# Altium PCB 机械臂扩展板2.0.PcbDoc
Units mil, origin at the board's own origin, x right, y up, seen from the top; angles counter-clockwise.
Board outline 2569.5 x 2215.05 mil, 2 copper layers (Top Layer, Bottom Layer); 64 components, 62 nets, 262 pads, 61 vias.
Unrouted connection lines stored in the file: 44.
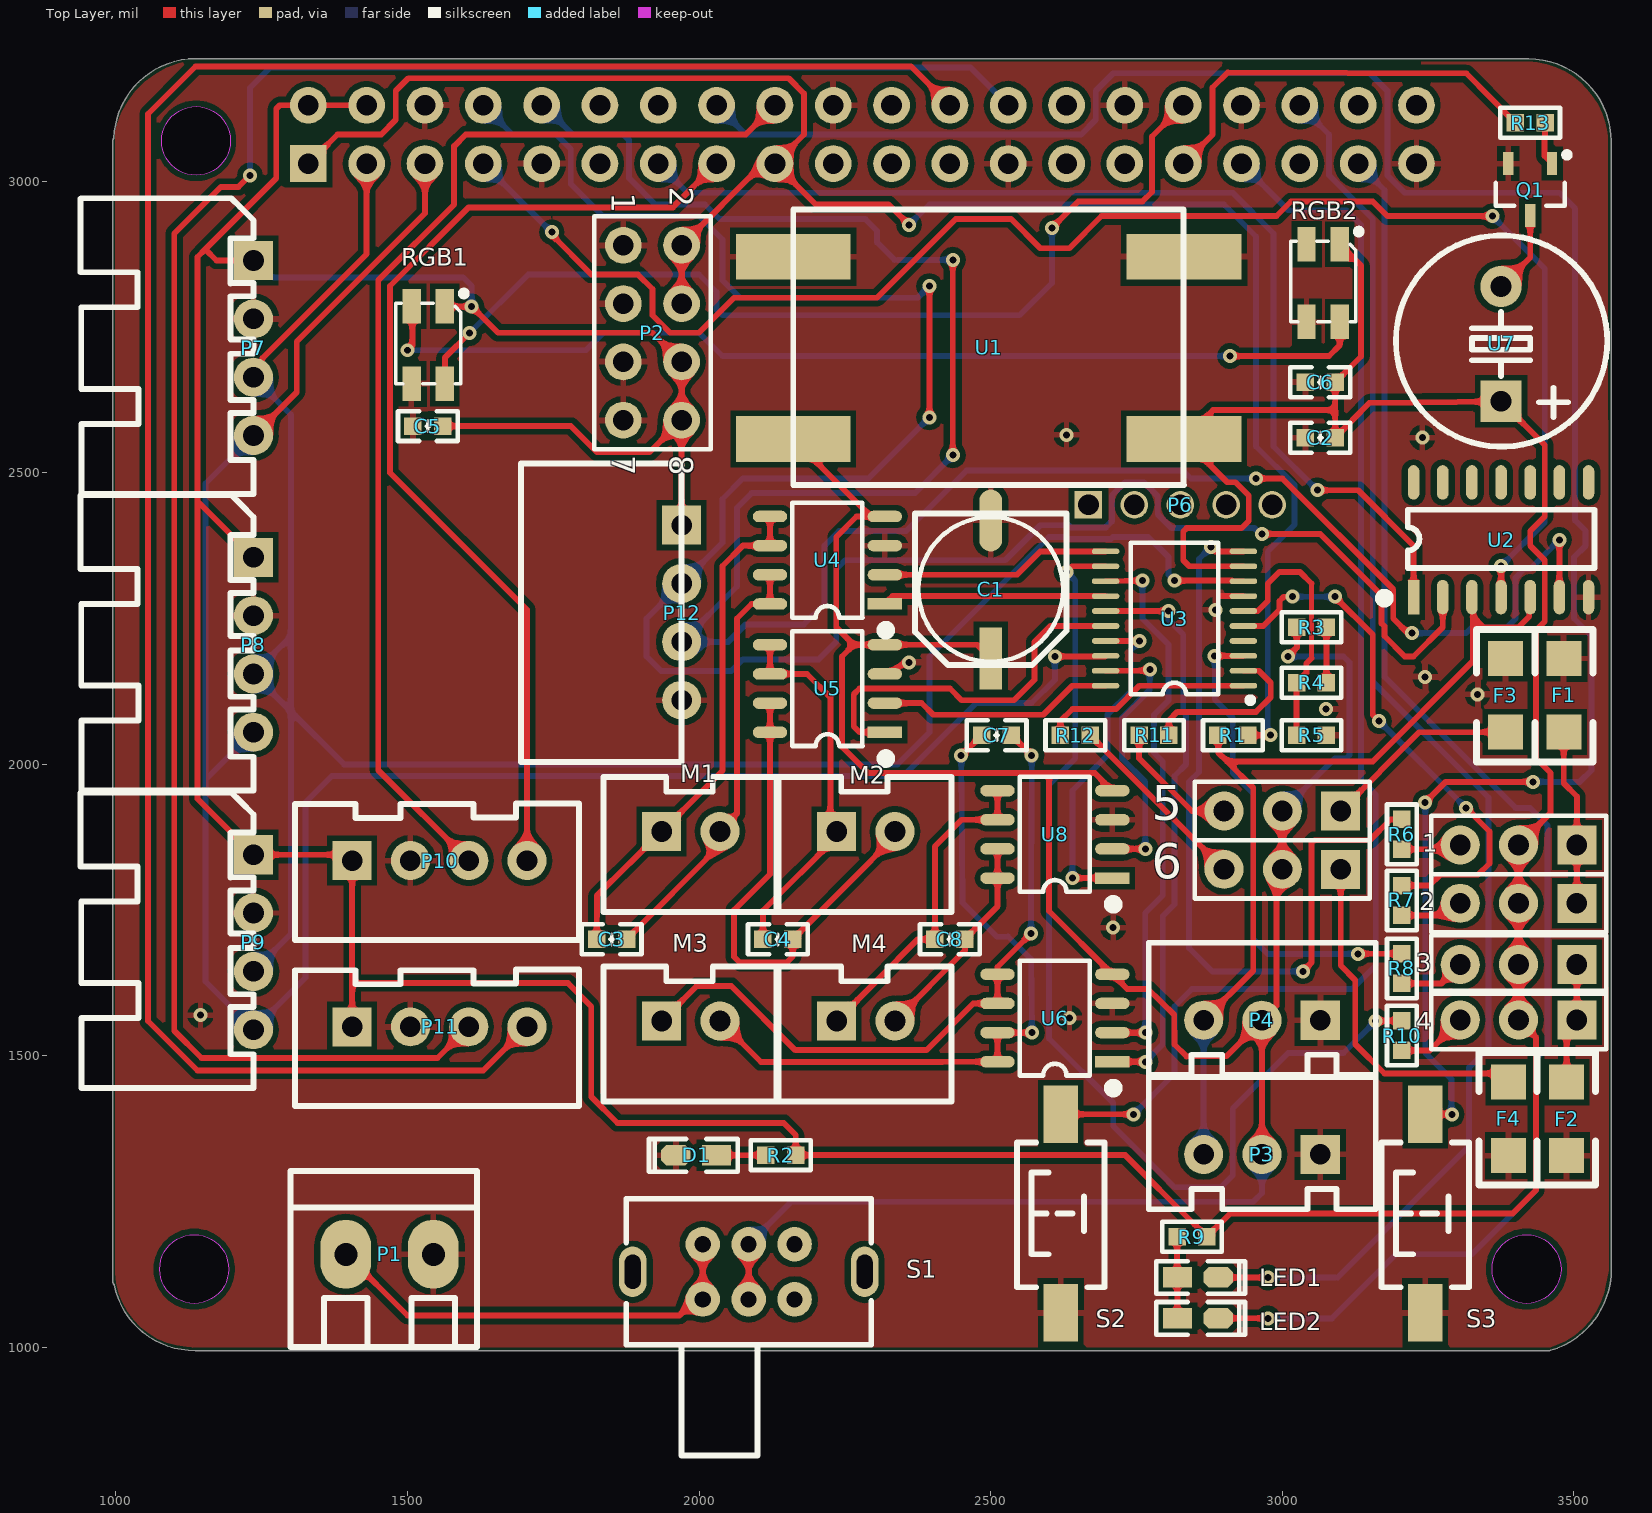
[diagram p0: Top Layer view]
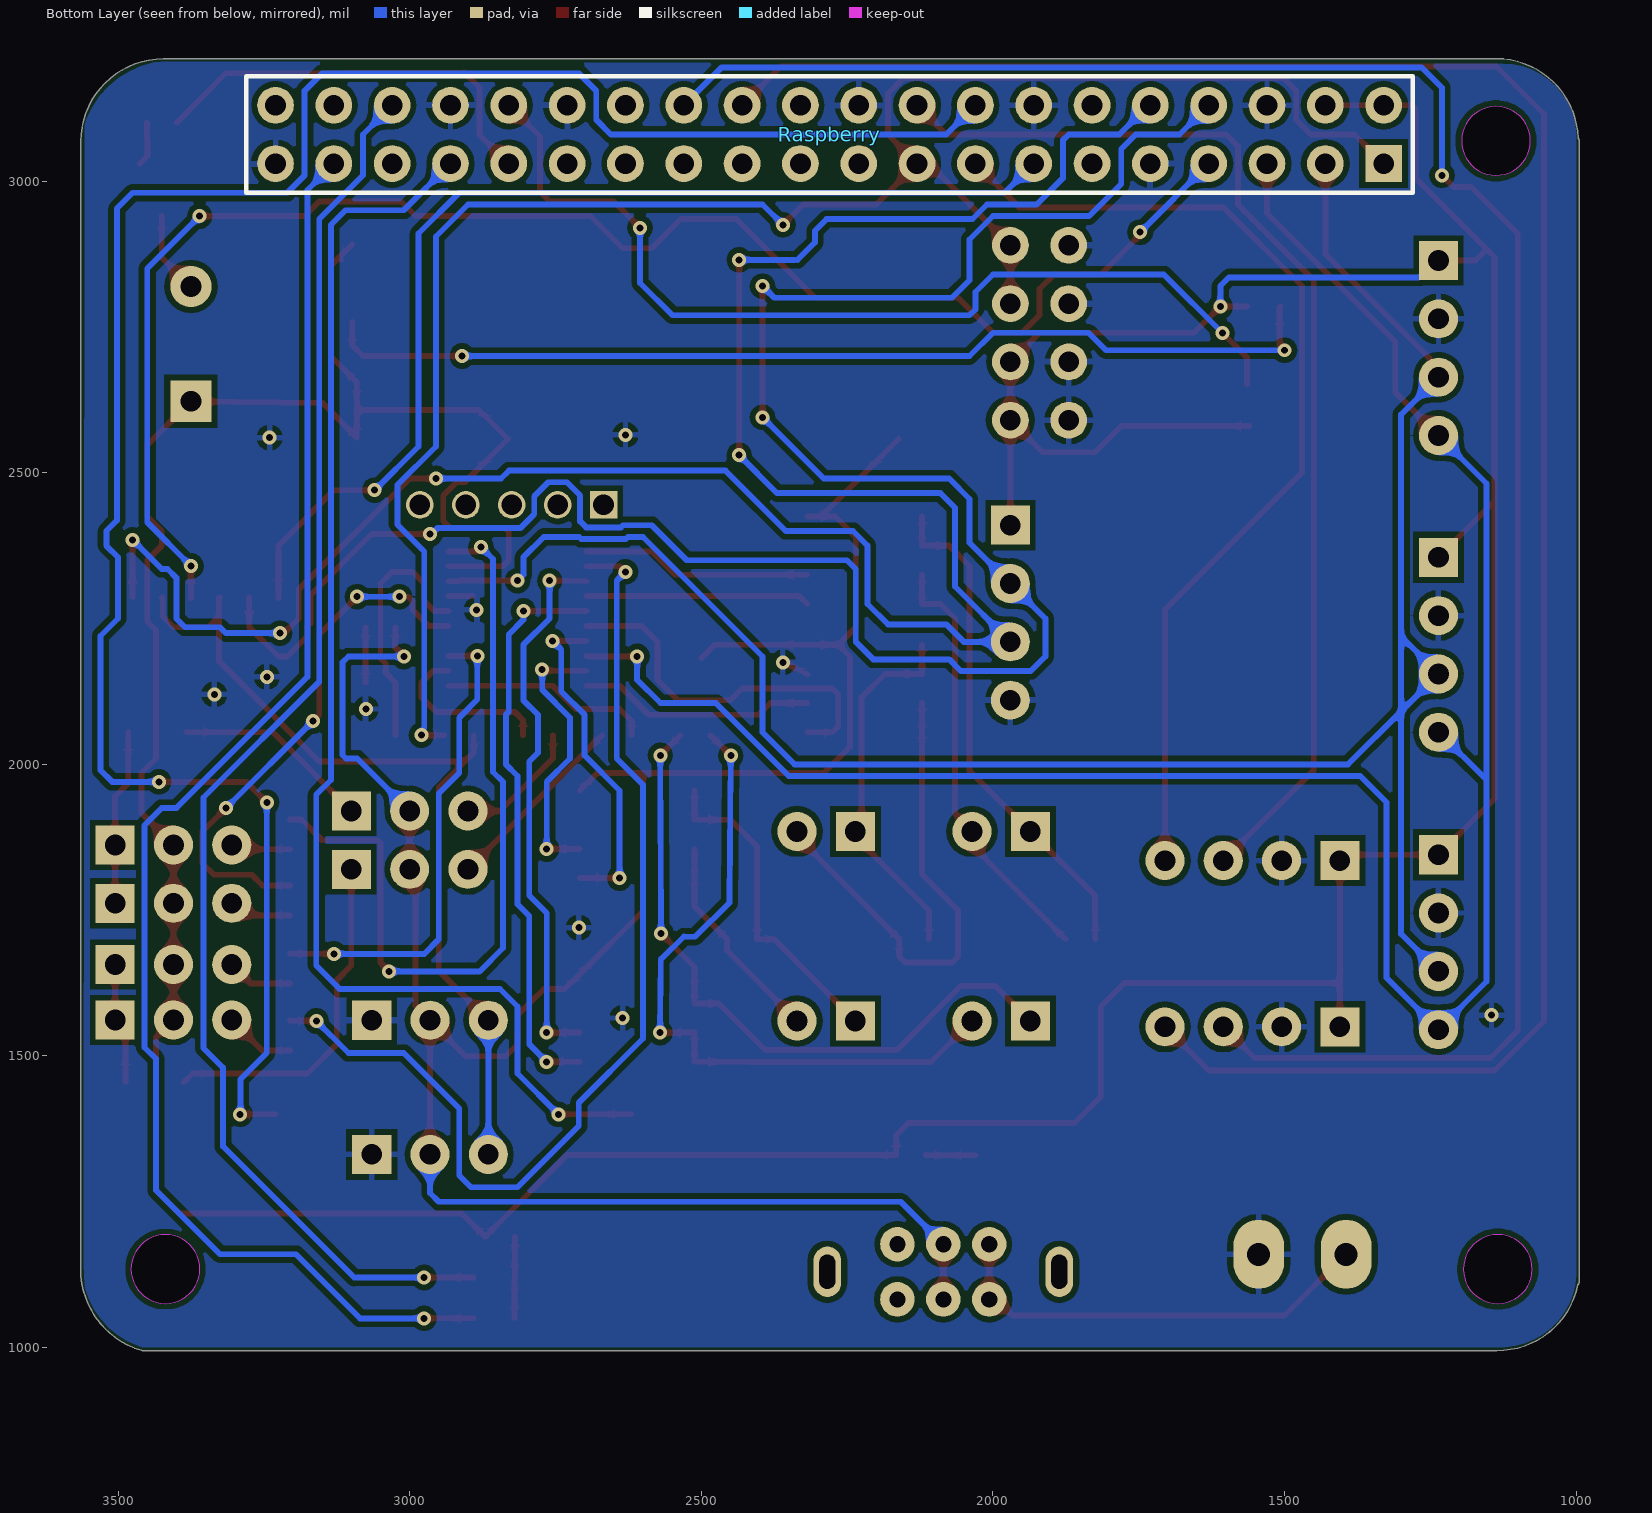
[diagram p1: Bottom Layer view, seen from below]

## Layer stack, top to bottom
Top Solder: solder mask 0.4, Solder Resist, Dk 3.5
Top Layer: signal copper 1.4
Dielectric 1: dielectric 12.6, FR-4, Dk 4.8
Bottom Layer: signal copper 1.4
Bottom Solder: solder mask 0.4, Solder Resist, Dk 3.5

## Board outline
994.98,1112 994.98,1124.68 cw(c1134.33,1134.65) 994.63,1133.98 cw(c999.65,1134) 994.98,1135.86 994.98,3070 cw(c1000,3070) 996.59,3073.67 cw(c1137.48,3069.05) 1135.95,3210.01 cw(c1136,3204.99) 1137.62,3209.74 3421,3209.74 cw(c3421,3204.72) 3422.18,3209.6 cw(c3421.68,3067.26) 3564.02,3067.97 cw(c3559.05,3067.26) 3564.07,3067.26 3564.07,1135.76 cw(c3559.11,1135) 3564.13,1135.01 cw(c3418.74,1134.65) 3564.13,1134.65 cw(c3418.74,1134.65) 3459.88,995.2 cw(c3418.74,1134.65) 3459.85,995.19 3459.88,995.2 cw(c3458.43,1000) 3458.43,994.98 1136.55,994.98 cw(c1136,999.97) 1136.06,994.95 cw(c1134.33,1134.65) 997.23,1107.82 cw(c1000,1112)
cut-out: 1137.48,3010 cw(c1137.48,3069.05) 1078.42,3069.05 cw(c1137.48,3069.05) 1137.48,3128.11 cw(c1137.48,3069.05) 1196.53,3069.05 cw(c1137.48,3069.05)
cut-out: 3418.74,1075.59 cw(c3418.74,1134.65) 3359.68,1134.65 cw(c3418.74,1134.65) 3418.74,1193.7 cw(c3418.74,1134.65) 3477.8,1134.65 cw(c3418.74,1134.65)
cut-out: 1134.33,1075.59 cw(c1134.33,1134.65) 1075.28,1134.65 cw(c1134.33,1134.65) 1134.33,1193.7 cw(c1134.33,1134.65) 1193.39,1134.65 cw(c1134.33,1134.65)

## Design rules (kind name [scope] priority, off if disabled: settings)
Clearance [All] p1: gap=10 ignorepadtopadclearanceinfootprint=FALSE except(0: Arc-Hole Track-Hole SMDPad-Hole THPad-Hole Via-Hole Fill-Hole Poly-Hole Region-Hole Text-Hole)
ComponentClearance [All] p1: gap=10 collisioncheckmode=3 verticalgap=0 showdistances=FALSE
MinimumSolderMaskSliver [All] p1: minsoldermaskwidth=0
PolygonConnect [All] p1: connectstyle=Relief reliefconductorwidth=10 reliefentries=4 polygonreliefangle="90 Angle" airgapwidth=10
RoutingVias [All] p1: holewidth=28 width=50 viastyle="Through Hole" minholewidth=28 minwidth=50 maxholewidth=28 maxwidth=50
SilkToSilkClearance [All] p1: silktosilkclearance=0
SilkToSolderMaskClearance [IsPad] p1: minsilkscreentomaskgap=0 clearancetoexposedcopper=TRUE
SolderMaskExpansion [All] p1: expansion=4 istentingtop=FALSE
Width [All] p1: maxlimit=10 minlimit=10 preferedwidth=10
26 further rules are at their usual default settings.

## Components (designator, comment, footprint, x,y, rotation, side; value= is the part's Value field where it differs from the comment)
1 "Header 3" HDR2.54-LI-3P 3405,1861.81 r180 top
2 "Header 3" HDR2.54-LI-3P 3405,1761.81 r180 top
3 "Header 3" HDR2.54-LI-3P 3405,1656.81 r180 top
4 "Header 3" HDR2.54-LI-3P 3405,1561.81 r180 top
5 "Header 3" HDR2.54-LI-3P 3000,1920 r180 top
6 "Header 3" HDR2.54-LI-3P 3000,1820 r180 top
C1 "220uF/16V" "CM D(6.3*7.7)" 2500,2300 r270 top
C2 "104" "C 0603_L" 3065,2560 r0 top
C3 "104" "C 0603_L" 1850,1700 r0 top
C4 "104" "C 0603_L" 2135,1700 r0 top
C5 "104" "C 0603_L" 1535,2580 r180 top
C6 "104" "C 0603_L" 3065,2655 r180 top
C7 "104" "C 0603_L" 2510,2050 r180 top
C8 "104" "C 0603_L" 2430,1700 r0 top
D1 "红色" "LED 0603R" 1995,1330 r180 top
F1 "Fuse 200mA" F1206 3480,2110.55 r270 top
F2 "Fuse 200mA" F1206 3490,1400 r90 top
F3 "Fuse 200mA" F1206 3380,2110.55 r270 top
F4 "Fuse 200mA" F1206 3390,1400 r90 top
LED1 "红色" "LED 0603G" 2855,1120 r0 top
LED2 "红色" "LED 0603G" 2855,1050 r0 top
M1 "Motor" XH2.54-LI-2P 1985.75,1885 r0 top
M2 "Motor" XH2.54-LI-2P 2285.75,1885 r0 top
M3 "Motor" XH2.54-LI-2P 1985.75,1560 r0 top
M4 "Motor" XH2.54-LI-2P 2285.75,1560 r0 top
P1 "Power" KF128-3.81-2P 1469.21,1160 r0 top
P2 "Header 4X2" HDR2.54-LI-2x4P 1920,2740 r270 top
P3 "Header 3" XH2.54-LI-3P 2965,1331.22 r180 top
P4 "Header 3" XH2.54-LI-3P 2965,1561.22 r180 top
P6 "Header 5" HDR2.54-LI-5P 2825,2445 r0 top
P7 "Header 4" XH2.54-WI-4P 1235.94,2713.78 r270 top
P8 "Header 4" XH2.54-WI-4P 1235.94,2205 r270 top
P9 "Header 4" XH2.54-WI-4P 1235.94,1695 r270 top
P10 "Header 4" XH2.54-LI-4P 1555,1835 r0 top
P11 "Header 4" XH2.54-LI-4P 1555,1550 r0 top
P12 "Header 4" HDR2.54-LI-4P 1970,2260 r90 top
Q1 "8050" SOT23-3L 3425,2985 r180 top
R1 "1K" "R 0603_L" 2915,2050 r0 top
R2 "10K" "R 0603_L" 2140,1330 r0 top
R3 "10K" "R 0603_L" 3050,2235 r0 top
R4 "10K" "R 0603_L" 3050,2140 r180 top
R5 "10K" "R 0603_L" 3050,2050 r0 top
R6 "1K" "R 0603_L" 3205,1880 r90 top
R7 "1K" "R 0603_L" 3205,1766.67 r90 top
R8 "1K" "R 0603_L" 3205,1650 r90 top
R9 "1K" "R 0603_L" 2845,1190 r180 top
R10 "1K" "R 0603_L" 3205,1535 r90 top
R11 "1K" "R 0603_L" 2780,2050 r0 top
R12 "1K" "R 0603_L" 2645,2050 r180 top
R13 "1K" "R 0603_L" 3425,3100 r0 top
Raspberry "P5" HDR2.54-LI-2x20P 2280,3080 r0 bottom
RGB1 "" "LED 3528-4Pin" 1535.55,2718.82 r270 top
RGB2 "" "LED 3528-4Pin" 3070,2825 r270 top
S1 "SW DPDT" SK-22D02 2085,1130 r0 top
S2 "SW-PB" "TSW SMD-3*6*4.3" 2620,1230 r90 top
S3 "SW-PB" "TSW SMD-3*6*4.3" 3245,1230 r90 top
U1 "DC-DC5V" 升压模块 2406.42,2674.09 r0 top
U2 "74HC126D" SOP14_L 3375,2385 r90 top
U3 "51" TSSOP20_L 2815,2250 r180 top
U4 "4055" SOP8_L 2220,2350 r180 top
U5 "4055" SOP8_L 2220,2130 r180 top
U6 "4055" SOP8_L 2610,1565 r180 top
U7 "BUZZER" "BEEP 5x9x5.5" 3375,2720.79 r0 top
U8 "4055" SOP8_L 2610,1880 r180 top

## Footprints (in the part's own frame and the unit in brackets; to place one, negate y for a bottom-side part, rotate by r counter-clockwise, add the part's x,y. Pads: shape width x height; smd on the part's side, far side on the other; paste and mask are expansions set on the pad)
"BEEP 5x9x5.5" [mm] "5*9*5.5mm(脚距,直径,高度)"
  rect 1.8x1.8 hole 0.9: 1(0,-2.5)
  round 1.8 hole 0.9: 2(0,2.5)
  silkscreen extent -4.58,-4.47 4.62,4.72, body extent -4.5,-4.5 4.5,4.5, height 5.45
"C 0603_L" [mil] "无极性贴片电容"
  rect 30x30 smd: 1(-25.59,0) 2(25.59,0)
  silkscreen extent -51,-26 51,26, body extent -31,-16 31,16, height 32
"CM D(6.3*7.7)" [mm] "贴片电解电容，直径6.3mm，高7.7mm"
  rect 2.7x1 smd: 1(3,0)
  oval 2.7x1 smd: 2(-3,0)
  silkscreen extent -3.3,-3.3 3.3,3.3, body extent -3.5,-3.3 3.5,3.3, height 7.7
F1206 [mil] "1/4W"
  rect 60x60 smd: 1(-70.98,2.53) 2(55,2.53)
  silkscreen extent -121,-47 106,53, body extent -71,-27 55,32, height 63
HDR2.54-LI-2x4P [mm] "双排排针，4x2脚"
  round 1.6 hole 0.9: 1(-3.81,-1.27) 2(-3.81,1.27) 3(-1.27,-1.27) 4(-1.27,1.27) 5(1.27,-1.27) 6(1.27,1.27) 7(3.81,-1.27) 8(3.81,1.27)
  silkscreen extent -5.08,-2.54 5.08,2.54, body extent -5.08,-2.54 5.08,2.54, height 8.5
HDR2.54-LI-2x20P [mm] "双排排针，20x2脚"
  rect 1.6x1.6 hole 0.9: 1(-24.13,1.27)
  round 1.6 hole 0.9: 2(-24.13,-1.27) 3(-21.59,1.27) 4(-21.59,-1.27) 5(-19.05,1.27) 6(-19.05,-1.27) 7(-16.51,1.27) 8(-16.51,-1.27) 9(-13.97,1.27) 10(-13.97,-1.27) 11(-11.43,1.27) 12(-11.43,-1.27) 13(-8.89,1.27) 14(-8.89,-1.27) 15(-6.35,1.27) 16(-6.35,-1.27) 17(-3.81,1.27) 18(-3.81,-1.27) 19(-1.27,1.27) 20(-1.27,-1.27) 21(1.27,1.27) 22(1.27,-1.27) 23(3.81,1.27) 24(3.81,-1.27) 25(6.35,1.27) 26(6.35,-1.27) 27(8.89,1.27) 28(8.89,-1.27) 29(11.43,1.27) 30(11.43,-1.27) 31(13.97,1.27) 32(13.97,-1.27) 33(16.51,1.27) 34(16.51,-1.27) 35(19.05,1.27) 36(19.05,-1.27) 37(21.59,1.27) 38(21.59,-1.27) 39(24.13,1.27) 40(24.13,-1.27)
  silkscreen extent -25.4,-2.54 25.4,2.54, body extent -25.4,-2.54 25.4,2.54, height 8.5
HDR2.54-LI-3P [mm] "排针，3脚"
  rect 1.7x1.7 hole 0.9: 1(-2.54,0)
  round 1.7 hole 0.9: 2(0,0) 3(2.54,0)
  silkscreen extent -3.81,-1.27 3.81,1.27, body extent -3.81,-1.27 3.81,1.27, height 8.5
HDR2.54-LI-4P [mm] "排针，4脚"
  round 1.7 hole 0.9: 1(-3.81,0) 2(-1.27,0) 3(1.27,0)
  rect 1.7x1.7 hole 0.9: 4(3.81,0)
  silkscreen extent -6.5,0 6.5,7, body extent -5.08,-1.27 5.08,1.27, height 8.5
HDR2.54-LI-5P [mm] "排针，5脚"
  rect 1.2x1.2 hole 0.9: 1(-4,0)
  round 1.2 hole 0.9: 2(-2,0) 3(0,0) 4(2,0) 5(4,0)
KF128-3.81-2P [mm] "螺钉式接线端子，脚距3.81mm"
  oval 2.2x3 hole 1: 1(-1.905,0) 2(1.905,0)
  silkscreen extent -4.32,-4.04 3.81,3.63, body extent -4.31,-3.9 3.81,3.5, height 8.55
"LED 0603G" [mil] "绿色0603LED"
  rect 50x35 smd: 1(-35,0.26)
  oct 50x35 smd: 2(35,0.26)
  silkscreen extent -71,-28 81,28, body extent -31,-16 32,16, height 18
"LED 0603R" [mil] "红色0603LED"
  rect 50x35 smd: 1(-35,0.26)
  oct 50x35 smd: 2(35,0.26)
  silkscreen extent -71,-28 81,28, body extent -31,-16 31,16, height 18
"LED 3528-4Pin" [mm] "4脚，3528LED"
  rect 1.5x0.8 smd: 1(-1.689,0.725) 2(-1.689,-0.725) 3(1.689,-0.725) 4(1.689,0.725)
  silkscreen extent -2.37,-1.42 1.69,1.68, body extent -1.75,-1.4 1.75,1.4, height 1.95
"R 0603_L" [mil] "1/10W贴片电阻"
  rect 30x30 smd: 1(-25.59,0) 2(25.59,0)
  silkscreen extent -51,-26 51,26, body extent -31,-16 32,16, height 16
SK-22D02 [mm] "10.4x6.1x4.2mm(长宽高)，脚距：2mm"
  oval 1.2x2.2 hole 0.7 slot 1.5 at 90 deg: 0(-5.05,0) 0(5.05,0)
  round 1.5 hole 0.7: 1(-2,-1.2) 2(0,-1.2) 3(2,-1.2) 4(2,1.2) 5(0,1.2) 6(-2,1.2)
  silkscreen extent -5.33,-8 5.33,3.17, body extent -5.27,-7.96 5.25,3.05, height 5.59
SOP8_L [mm] "5*6*1.8mm（长宽高）"
  rect 1.5x0.5 smd: 1(-2.5,1.905)
  oval 1.5x0.5 smd: 2(-2.5,0.635) 3(-2.5,-0.635) 4(-2.5,-1.905) 5(2.5,-1.905) 6(2.5,-0.635) 7(2.5,0.635) 8(2.5,1.905)
  silkscreen extent -2.69,-2.5 1.52,3.2, body extent -3,-2.5 3,2.5, height 1.9
SOP14_L [mm] "8.7*6.2*1.8mm（长宽高）"
  rect 1.5x0.5 smd: 1(-2.5,3.81)
  oval 1.5x0.5 smd: 2(-2.5,2.54) 3(-2.5,1.27) 4(-2.5,0) 5(-2.5,-1.27) 6(-2.5,-2.54) 7(-2.5,-3.81) 8(2.5,-3.81) 9(2.5,-2.54) 10(2.5,-1.27) 11(2.5,0) 12(2.5,1.27) 13(2.5,2.54) 14(2.5,3.81)
  silkscreen extent -2.69,-4.06 1.31,5.23, body extent -3,-4.35 3,4.35, height 1.9
SOT23-3L [mm] "3x1.3x1mm(长宽高)"
  rect 0.45x1 smd: 1(-0.95,-1.143) 2(0.95,-1.143) 3(0,1.125)
  silkscreen extent -1.73,-1.65 1.5,0.7, body extent -1.5,-1.2 1.5,1.2, height 1.05
TSSOP20_L [mm] "6.5*6.4*1（长宽高）"
  oval 1.2x0.25 smd: 1(-3,2.925) 2(-3,2.275) 3(-3,1.625) 4(-3,0.975) 5(-3,0.325) 6(-3,-0.325) 7(-3,-0.975) 8(-3,-1.625) 9(-3,-2.275) 10(-3,-2.925) 11(3,-2.925) 12(3,-2.275) 13(3,-1.625) 14(3,-0.975) 15(3,-0.325) 16(3,0.325) 17(3,0.975) 18(3,1.625) 19(3,2.275) 20(3,2.925)
  silkscreen extent -3.43,-3.3 1.91,3.69, body extent -3.2,-3.25 3.2,3.25, height 1.03
"TSW SMD-3*6*4.3" [mm] "3*6*4.3mm"
  rect 2.5x1.5 smd: 1(-4.318,0) 2(4.318,0)
  silkscreen extent -3.21,-1.9 3.09,1.9, body extent -4.6,-1.75 4.6,1.75, height 4.4
XH2.54-LI-2P [mm] "接插件，2P"
  rect 1.7x1.7 hole 0.9: 1(-1.27,0)
  round 1.7 hole 0.9: 2(1.27,0)
  silkscreen extent -3.81,-3.51 3.74,2.37, body extent -3.77,-3.3 3.77,2.4, height 7.05
XH2.54-LI-3P [mm] "接插件，3P"
  rect 1.7x1.7 hole 0.9: 1(-2.54,0)
  round 1.7 hole 0.9: 2(0,0) 3(2.54,0)
  silkscreen extent -4.95,-3.38 4.93,2.39, body extent -5.04,-3.3 5.04,2.4, height 7.03
XH2.54-LI-4P [mm] "接插件，4P"
  rect 1.7x1.7 hole 0.9: 1(-3.81,0)
  round 1.7 hole 0.9: 2(-1.27,0) 3(1.27,0) 4(3.81,0)
  silkscreen extent -6.3,-3.45 6.07,2.49, body extent -6.31,-3.3 6.31,2.4, height 7.03
XH2.54-WI-4P [mm] "接插件，4P"
  rect 1.7x1.7 hole 0.9: 1(-3.81,0)
  round 1.7 hole 0.9: 2(-1.27,0) 3(1.27,0) 4(3.81,0)
  silkscreen extent -6.53,-7.53 6.35,0, body extent -6.31,-7.35 6.31,0.35, height 5.73
升压模块 [mm]
  rect 5x2 smd: 1(-6.223,-2.953) 2(-6.223,4.985) 3(10.795,4.985) 4(10.795,-2.953)
  silkscreen extent -6.22,-4.95 10.79,7.05

## Part data
1 2 3 4 5 6 P3 P4: "舵机接口", BOM名称=3P接插件, 学习资源=www.ooocke.com, 版权归属=源创客
C1: library part C-CM, "贴片电解电容", BOM名称=贴片电解电容, 学习资源=www.ooocke.com, 版权归属=源创客
C2 C3 C4 C5 C6 C7 C8: library part C, "无极性贴片电容", BOM名称=无极性贴片电容, 学习资源=www.ooocke.com, 版权归属=源创客
D1 LED1 LED2: library part LED-SMD, "贴片LED", BOM名称=贴片LED, 学习资源=www.ooocke.com, 版权归属=源创客
F1 F2 F3 F4: library part "Fuse 1", "Fuse", LatestRevisionDate=17-Jul-2002, LatestRevisionNote="Re-released for DXP Platform.", PackageDescription="Thru-Hole; 2 Leads", PackageReference=PIN-W2/E2.8, Published=8-Jun-2000, Publisher="Altium Limited"
M1 M2 M3 M4: library part "Header 2", "2P接插件", BOM名称=2P接插件, 学习资源=www.ooocke.com, 版权归属=源创客
P2: "4*2P接插件", BOM名称=4*2P接插件, 学习资源=www.ooocke.com, 版权归属=源创客
P6: "5P接插件", BOM名称=5P接插件, 学习资源=www.ooocke.com, 版权归属=源创客
P7 P8 P9 P10 P11 P12: "I2C总线接口", BOM名称=4P接插件, 学习资源=www.ooocke.com, 版权归属=源创客
Q1: library part 8050-SMD, "高频放大-NPN型", BOM名称=高频放大-NPN型, 学习资源=www.ooocke.com, 属性="40V 1.5A 1W 100MHZ", 版权归属=源创客
R1 R2 R3 R4 R5 R6 R7 R8 R9 R10 R11 R12 R13: library part R, "贴片电阻", BOM名称=贴片电阻, 学习资源=www.ooocke.com, 版权归属=源创客
Raspberry: library part "Header 20X2", "树莓派接口", BOM名称=20*2P接插件, 学习资源=www.ooocke.com, 版权归属=源创客
RGB1 RGB2: library part RGBLED
S1: library part SSW-2P, "2路波动开关", BOM名称=波动开关, 学习资源=www.ooocke.com, 版权归属=源创客
S2 S3: library part "TSW 3x6", "3x6轻触开关", BOM名称=3x6轻触开关, 学习资源=www.ooocke.com, 版权归属=源创客
U7: library part BEEP, "蜂鸣器", BOM名称=蜂鸣器, 学习资源=www.ooocke.com, 版权归属=源创客

## Via types
v1: diameter 24, hole 12, Top Layer to Bottom Layer, 61 vias

## Nets (pads, with @x,y where several pads share a name; then routed paths per layer and width w, separated by ;. In a path a pad name is that pad's centre, name@x,y a point inside that pad or via, vN(x,y) a via of type N, cw(c..) or ccw(c..) an arc to the next point about the centre after c; other vN are vias at no path point)
3.3V: P2.2 P2.4 R1.2 Raspberry.1 Raspberry.17 | length 3258.4
  Top Layer w10: Raspberry.1 1380,3080 1455,3080 1480,3105 1480,3155 1501.5,3176.5 2153.5,3176.5 2180,3150 2180,3080 Raspberry.17 ; P2.4 P2.2 2110,3030 Raspberry.17 ; v1(2360,2925) 2325,2960 2200,2960 Raspberry.17 ; R1.2 v1(2980,2050)
  Bottom Layer w10: v1(2360,2925) 2395,2960 2900,2960 2955,2905 2955,2545 3021.1,2478.9 3021.1,2411.1 2975,2365 2975,2062.86 2977.32,2060.54 2977.32,2052.68 v1(2980,2050)
5V: 1.2 2.2 3.2 4.2 C2.2 C5.1 C6.1 P2.6 P2.8 P7.1 P8.1 P9.1 P10.1 P11.1 P12.4 R2.2 R9.1 Raspberry.2 Raspberry.4 RGB1.1 RGB2.1 U1.4 U3.9 U7.1 | length 9061.9
  Top Layer w10: P8.1 1140,2450.94 ; P7.1 1172.5,2863.78 1153.14,2883.14 ; P11.1 1405,1625 ; Raspberry.4 Raspberry.2 1280.86,3130 1275,3124.14 1275,3005 1153.14,2883.14 ; C5.1 1780.01,2580 1825,2535 1915,2535 P2.8 ; RGB1.1 1564.41,2785 v1(1610,2785) 1655,2740 1920,2740 P2.6 P2.8 ; P12.4 P2.8 ; U3.9 2840.43,2339.57 2830,2350 2830,2399.14 2835.86,2405 2930,2405 2942.36,2417.36 2942.36,2461 2919.74,2483.62 2905.63,2483.62 U1.4 2881.08,2607.5 3090.59,2607.5 ; RGB2.1 3135.06,2854.95 3135,2699.38 C6.1 3090.59,2607.5 ; 1140,2450.94 1140,2870 1153.14,2883.14 ; 1140,2450.94 1140,1940.94 P9.1 1405,1845 P10.1 1405,1625 ; 1405,1625 1775,1625 1815,1585 1815,1430 1860,1385 2145,1385 2165.59,1364.41 R2.2 2730.59,1330 2849.41,1211.22 2860.59,1200 R9.1 2910.59,1230 3395,1230 3435,1270 3435,1531.81 4.2 3.2 2.2 1.2 3460,1916.81 3460,1985 3435,2010 3435,2230 3450,2245 3450,2350 3425,2375 3425,2400 3450,2425 3450,2547.36 U7.1 3148.99,2619.76 C2.2 3090.59,2607.5
  Bottom Layer w10: P7.1 1264.41,2835.31 1269.95,2835.31 1270.27,2835 1595,2835 1610,2820 v1(1610,2785)
ADC_BAT: R4.2 R5.1 U3.6 | length 441.1
  Top Layer w8: 3050,2182 3050,2310
  Top Layer w10: U3.6 2957.8,2262.8 2975,2280 2975,2310 2995,2330 3030,2330 3050,2310 ; R5.1 R4.2 3041.18,2157.19 3040.99,2172.77 3050,2182
Buzzer: R13.1 Raspberry.31 | length 716
  Top Layer w10: Raspberry.31 2880.06,3079.64 2880.41,3160.36 2906.35,3186.09 3315.79,3184.33 R13.1
GND: C1.2 C2.1 C5.2 C6.2 D1.2 F1.1 F2.1 F3.1 F4.1 P1.2 P2.1 P2.3 P2.5 P2.7 P3.1 P4.1 P7.2 P8.2 P9.2 P10.2 P11.2 P12.1 Q1.2 R5.2 Raspberry.6 Raspberry.9 Raspberry.14 Raspberry.20 Raspberry.25 Raspberry.30 Raspberry.34 Raspberry.39 RGB1.3 RGB2.3 S2.1 S3.1 U1.2 U1.3 U2.7 U3.7 U4.3 U5.3 U6.3 U8.3 | length 85.9
  Top Layer w10: U5.3 2318.09,2153.72 v1@2355.62,2175.62 ; 2891.95,2288.39 U3.7
  other v1: 2635,1565 1145,1570 2710,1720 3075,2095 3335,2120 3245,2150 2360,2175 2885,2265 3240,2560 2630,2565
GPIO7: P11.3 Raspberry.26 | length 3576.1
  Top Layer w10: v1(1230,3010) 1210,2990 1180,2990 1100,2910 1100,1543.28 1146.75,1496.54 1551.54,1496.54 P11.3
  Bottom Layer w10: v1(1230,3010) 1230,3160 1265,3195 2465,3195 Raspberry.26
GPIO8: P11.4 Raspberry.24 | length 3707.6
  Top Layer w10: P11.4 1630,1475 1140,1475 1055,1560 1055,3115 1136.5,3196.5 2363.5,3196.5 Raspberry.24
GPIO22: P10.4 Raspberry.15 | length 1729.3
  Top Layer w10: P10.4 1705,2265 1470,2500 1470,2820 1605,2955 1955,2955 Raspberry.15
GPIO24: P10.3 Raspberry.18 | length 1922
  Top Layer w10: P10.3 1450,1990 1450,2830 1580,2960 1580,3060 1600,3080 2080,3080 Raspberry.18
ICECLK: P7.4 P8.4 P9.4 Raspberry.5 U3.18 | length 3716.6
  Top Layer w10: P7.4 1310,2637.83 1310,2725 1530,2945 Raspberry.5 ; v1(2610,2185) 2695.87,2185 U3.18
  Bottom Layer w10: P8.4 1155.09,1974.75 1153.79,1973.45 ; P7.4 1153.79,2481.62 1153.79,1973.45 ; v1(2610,2185) 2610,2145 2570,2105 2475,2105 2350,1980 1370,1980 1325,1935 1325,1634.06 P9.4 1153.79,1627.78 1153.79,1973.45
ICEDAT: P7.3 P8.3 P9.3 Raspberry.3 U3.8 | length 3660.2
  Top Layer w10: P7.3 1235.94,2679.18 1251.63,2694.87 1251.63,2696.63 1430,2875 Raspberry.3 ; v1(2815,2315) 2913.54,2315 2914.57,2313.98 U3.8
  Bottom Layer w10: P9.3 1300,1709.06 1300,2090.94 ; P7.3 1300,2599.72 1300,2219.06 ; v1(2815,2315) 2805,2325 2805,2355 2770,2390 2709.26,2390 2705.64,2386.38 2629.4,2386.38 2625.78,2390 2600,2390 2395,2185 2395,2055 2340,2000 1390.94,2000 1300,2090.94 ; 1300,2090.94 1300,2219.06 ; 1300,2090.94 P8.3 1300,2219.06
ICERST: U3.4
Key1: Raspberry.33 S2.2 | length 2241.8
  Top Layer w10: S2.2 v1(2745,1400)
  Bottom Layer w10: v1(2745,1400) 2815,1470 2815,1585 2845,1615 3120,1615 3160,1655 3160,1948.14 3135,1973.14 3135,2925 3110,2950 3010,2950 Raspberry.33
Key2: Raspberry.16 S3.2 | length 3659.6
  Top Layer w10: S3.2@3230,1400 v1(3290.51,1400) ; v1(3245,1935) 3280,1970 v1(3430,1970)
  Bottom Layer w10: Raspberry.16 2080,3080 2655,3080 2680,3105 2680,3155 2710,3185 3150,3185 3180,3155 3180,3010 3210,2980 3475,2980 3502,2953 3502,2418 3520,2400 3520,2375 3500,2355 3500,2250 3530,2220 3530,1990 3510,1970 v1(3430,1970) ; v1(3245,1935) 3245,1505 3290,1460 v1@3290,1400
LED1: LED1.2 Raspberry.36 | length 2451.1
  Top Layer w10: LED1.2 v1(2975,1120.07)
  Bottom Layer w10: v1(2975,1120.07) 3090.07,1120.07 ; Raspberry.36 3080,3080 3080,3010 3155,2935 3155,2141.72 3353.46,1943.25 3353.46,1513.46 3320,1480 3320,1345 3095,1120
LED2: LED2.2 Raspberry.37 | length 2553.6
  Top Layer w10: LED2.2 v1(2975.01,1050.08)
  Bottom Layer w10: v1(2975.01,1050.08) 3084.94,1050.08 3194.95,1160.09 3195.15,1160.09 3325.09,1160.09 3434.84,1269.84 3434.84,1494.9 3435.07,1495.14 3454.61,1514.64 3454.61,1895.15 ; Raspberry.37 3130,3029.89 3175,2984.89 3175,2150 3400,1925 3425,1925 3455,1895
Motor1_B: U3.14 U4.1 | length 384
  Top Layer w10: U4.1 2331.81,2288.39 U3.14
Motor1_F: U3.11 U4.2 | length 394.8
  Top Layer w10: U4.2 2545.54,2325.5 2584.78,2364.91 U3.11
Motor2_B: U3.16 U5.1 | length 647.6
  Top Layer w10: U5.1 2275,2055 2265,2065 2265,2120 2275,2130 2430,2130 2450,2110 2540,2110 2575,2145 2575,2210 2602.2,2237.2 U3.16
Motor2_F: U3.20 U5.2 | length 407.4
  Top Layer w10: U5.2 2381.29,2105 2401.29,2085 2590,2085 2639.84,2134.84 U3.20
Motor3_B: U3.15 U6.1 | length 976.1
  Top Layer w10: U3.15 v1(2805,2262.8) ; U6.1 v1(2765,1490)
  Bottom Layer w10: v1(2765,1490) 2795,1520 2795,1740 2815,1760 2815,1980 2835,2000 2835,2085 2830,2090 2830,2222.8 2805,2247.8 v1@2805,2260
Motor3_F: U3.13 U6.2 | length 942.3
  Top Layer w10: U3.13 v1(2760,2315) ; U6.2 v1(2765,1540)
  Bottom Layer w10: v1(2760,2315) 2760,2250 2805,2205 2805,2110 2780,2085 2780,2020 2795,2005 2795,1775 2765,1745 v1(2765,1540)
Motor4_B: U3.17 U8.1 | length 581.1
  Top Layer w10: v1(2640,1805) U8.1 ; U3.17 v1(2755,2211.61)
  Bottom Layer w10: v1@2640,1804.64 2640,1955 2700,2015 2700,2085 2740,2125 2740,2196.61 v1(2755,2211.61)
Motor4_F: U3.19 U8.2 | length 477.4
  Top Layer w10: U3.19 2770.43,2160.43 v1(2772.72,2162.72) ; U8.2 v1(2765,1855)
  Bottom Layer w10: v1(2765,1855) 2765,1970 2725,2010 2725,2080 2772.72,2127.72 v1(2772.72,2162.72)
Net1_1: 1.1 2.1 F1.2 | length 303
  Top Layer w10: F1.2 3482.53,1967.47 3505,1945 1.1 2.1
Net1_3: 1.3 R6.1 | length 103.1
  Top Layer w10: R6.1 3297.6,1854.41 1.3
Net2_3: 2.3 R7.1 | length 108.6
  Top Layer w10: R7.1 3284.26,1741.07 2.3
Net3_1: 3.1 4.1 F2.2 | length 209.1
  Top Layer w10: F2.2 3487.47,1544.28 4.1 3.1
Net3_3: 3.3 R8.1 | length 113.4
  Top Layer w10: R8.1 3272.6,1624.41 3.3
Net4_3: 4.3 R10.1 | length 121.7
  Top Layer w10: R10.1 3252.6,1509.41 4.3
Net5_1: 5.1 F3.2 | length 338.7
  Top Layer w10: 5.1 3234.14,2055.05 F3.2
Net5_3: 5.3 R11.1 | length 222.5
  Top Layer w10: R11.1 2754.41,2010.59 2845,1920 5.3
Net6_1: 6.1 F4.2 | length 599.8
  Top Layer w10: 6.1 3100,1655 3125,1630 3125,1520 3175,1470 3372.47,1470 F4.2
Net6_3: 6.3 R12.1 | length 324.9
  Top Layer w10: R12.1@2670.3,2049.7 6.3
NetC3_1: C3.1 M1.1 U4.5 U4.6 | length 875.5
  Top Layer w10: C3.1 1824.7,1774.82 M1.1 2040,1989.25 2040,2340 2075,2375 U4.6 U4.5
NetC3_2: C3.2 M1.2 U4.7 U4.8 | length 745.2
  Top Layer w10: C3.2 2035.81,1861.01 M1.2 2035.75,1886.75 2065,1916 2065,2250 2090,2275 U4.8 U4.7
NetC4_1: C4.1 M2.1 U5.5 U5.6 | length 641.9
  Top Layer w10: C4.1 2109.55,1749.55 2235.72,1875.02 M2.1 2225,1895.75 2225,2115 2185,2155 U5.6 U5.5
NetC4_2: C4.2 M2.2 U5.7 U5.8 | length 853.7
  Top Layer w10: U5.7 U5.8 2121.57,1811.57 2060,1750 2060,1670 2070,1660 2150,1660 2160.59,1670.59 C4.2 M2.2@2340.22,1880.55
NetC7_1: C7.1 M3.1 U6.5 U6.6 | length 1177.5
  Top Layer w10: M3.1 1995.75,1620 2055,1620 2165,1510 2390,1510 2470,1590 U6.6 U6.5 2511.57,1652.58 v1(2569,1710) ; C7.1 v1(2570.3,2015.3)
  Bottom Layer w10: v1(2569,1710) v1(2570.3,2015.3)
NetC7_2: C7.2 M3.2 U6.7 U6.8 | length 1199.2
  Top Layer w10: M3.2 2105.95,1489.8 2416.87,1489.8 2417.07,1490 U6.8 U6.7 v1(2570.63,1540.01) ; v1(2449.41,2015) C7.2
  Bottom Layer w10: v1(2449.41,2015) 2451.54,1762.82 2510.81,1704.54 2529.79,1704.7 2566.62,1668.49 2569.57,1665.59 v1(2570.63,1540.01)
NetC8_1: C8.1 M4.1 U8.5 U8.6 | length 562.3
  Top Layer w10: M4.1 2374.82,1699.91 C8.1 2404.41,1859.41 2450,1905 U8.6 U8.5
NetC8_2: C8.2 M4.2 U8.7 U8.8 | length 367.5
  Top Layer w10: M4.2 2455.66,1680.77 C8.2 2511.83,1756.85 U8.8 U8.7
NetD1_1: D1.1 R2.1 | length 84.4
  Top Layer w10: D1.1 R2.1
NetLED1_1: LED1.1 LED2.1 R9.2 | length 139.7
  Top Layer w10: R9.2 LED2.1
NetP1_1: P1.1 S1.1 S1.6 | length 761.5
  Top Layer w10: P1.1 1395.01,1160 1500.01,1055 1965.87,1055 1993.63,1082.76 S1.1 S1.6
NetQ1_1: Q1.1 R13.2 | length 75.1
  Top Layer w10: R13.2 3449.75,3043.03 Q1.1
NetQ1_3: Q1.3 U7.2 | length 142.2
  Top Layer w10: U7.2 3425,2869.21 Q1.3
NetR3_2: R3.2 R4.1 | length 95
  Top Layer w10: R4.1 R3.2
NetRGB1_2: RGB1.2 RGB2.4 | length 1754.5
  Top Layer w10: v1(1500,2710) 1508.35,2718.35 1508.35,2783.98 RGB1.2 ; v1(2910,2700) 3080,2700 3098.54,2718.54 RGB2.4
  Bottom Layer w10: v1(1500,2710) 1806,2710 1836,2740 2000,2740 2040,2700 v1(2910,2700)
RGB: Raspberry.32 RGB1.4 | length 1676.6
  Top Layer w10: RGB1.4 1564.09,2697.09 v1(1606.5,2739.5) ; v1(2605,2920) 2650,2965 2760,2965 2776.5,2981.5 2776.5,3076.5 Raspberry.32
  Bottom Layer w10: v1(1606.5,2739.5) 1707,2840 2000,2840 2030,2810 2030,2780 2040,2770 2549.5,2770 2605,2825.5 v1(2605,2920)
RX_CON: Raspberry.7 U2.4 | length 2746.3
  Top Layer w10: v1@1745,2910 1815,2840 1895,2840 1920,2815 1920,2770 1950,2740 2000,2740 2060,2800 2305,2800 2440,2935 2535,2935 2585,2885 2635,2885 2690,2940 2990,2940 3015,2965 3155,2965 3180,2940 v1(3360,2940) ; U2.4@3375,2285 U2.4 v1(3375,2340)
  Bottom Layer w10: Raspberry.7 v1(1747.5,2912.5) ; v1(3360,2940) 3450,2850 3450,2415 v1(3375,2340)
RXD: P12.2 Raspberry.10 U2.6 | length 3906.8
  Top Layer w10: v1(2435,2530) v1(2435,2865) ; v1(2955,2490) 3000,2490 3190,2300 3190,2250 3215,2225 v1(3222.5,2225) ; U2.6 v1(3475,2385)
  Bottom Layer w10: Raspberry.10 1733.28,3130 1783.28,3080 1870,3080 1880,3070 1880,3005 1925,2960 2010,2960 2035,2935 2285,2935 2305,2915 2305,2895 2335,2865 ; 2340,2865 v1(2435,2865) ; v1(2435,2530) 2370,2465 2090,2465 2065,2440 2065,2305 P12.2 2050,2210 2080,2240 2180,2240 2215,2275 2215,2375 2240,2400 2355,2400 2440,2485 2458.62,2503.62 2829.78,2503.62 2843.41,2490 v1(2955,2490) ; v1(3222.5,2225) 3315,2225 3325,2235 3385,2235 3400,2250 3400,2320 3415,2335 3425,2335 v1(3475,2385)
Servo1: R6.2 U3.10 | length 1371.3
  Top Layer w10: v1(2877.52,2372.46) 2885.09,2364.96 U3.10 ; v1(3035,1645) 3050,1660 3050,1865 3055,1870 3150,1870 3185.59,1905.59 R6.2
  Bottom Layer w10: v1(2877.52,2372.46) 2856.98,2351.92 2856.98,1986.98 2840,1970 2840,1685 2880,1645 v1(3035,1645)
Servo2: R7.2 U3.5 | length 923.2
  Top Layer w10: U3.5 2967.2,2237.2 2995,2265 2995,2280 3002.5,2287.5 v1(3017.5,2287.5) v1@3014.82,2284.82 ; v1(3090,2287.5) 3155,2222.5 3155,2085 v1(3165.92,2074.08) ; R7.2 3252.25,1792.25 3270.62,1810.62 3335.62,1810.62 3355,1830 3355,1885 v1(3315,1925)
  Bottom Layer w10: v1(3017.5,2287.5) v1(3090,2287.5) ; v1(3165.92,2074.08) v1(3315,1925)
Servo3: R8.2 U3.3 | length 827.9
  Top Layer w10: v1(2883.98,2186.02) U3.3 ; v1(3130,1675) R8.2
  Bottom Layer w10: v1(2883.98,2186.02) 2883.98,2111.02 2915,2080 2915,1985 2950,1950 2950,1700 2975,1675 v1(3130,1675)
Servo4: R10.2 U3.12 | length 1815.2
  Top Layer w10: v1(2630,2330) 2639.57,2339.57 U3.12 ; v1(3160,1560) R10.2
  Bottom Layer w10: v1(2630,2330) 2645,2315 2645,2010 2600,1965 2600,1530 2710,1420 2710,1380 2815,1275 2895,1275 2915,1295 2915,1410 3010,1505 3105,1505 v1(3160,1560)
Servo5: R11.2 U3.2 | length 296.7
  Top Layer w10: R11.2 2805.59,2075.59 2820,2090 2955,2090 2980,2115 2980,2140 2959.57,2160.43 U3.2
Servo6: R12.2 U3.1 | length 363.1
  Top Layer w10: R12.2 2619.41,2074.41 2640,2095 2715,2095 2754.84,2134.84 U3.1
SERVO_SIGNAL: P3.3 P4.3 R1.1 U2.3 U2.5 | length 1528
  Top Layer w10: P4.3 2950,1646.22 2950,1960 2905,2005 ; R1.1@2890,2050 2890,2020 2905,2005 ; U2.3 3326.62,2284.95 3326.62,2253.38 ; U2.5 3423.38,2284.95 3423.38,2253.38 3405,2235 3345,2235 3326.62,2253.38 ; 2905,2005 3155,2005 3326.62,2176.62 3326.62,2253.38
  Bottom Layer w10: P3.3 P4.3
TX_CON: Raspberry.13 U2.1 | length 1870.1
  Top Layer w10: v1(3060,2470) 3130,2470 3225,2375 U2.1@3225,2285
  Bottom Layer w10: Raspberry.13 1980,2980 2915,2980 2985,2910 2985,2545 v1(3060,2470)
TXD: P12.3 Raspberry.8 U2.2 | length 3811.5
  Top Layer w10: v1(2395,2595) v1(2395,2820) ; v1(2965,2395) 3065,2395 3170,2290 3170,2241.72 3175,2236.72 3175,2220 3210,2185 3225,2185 3275,2235 U2.2
  Bottom Layer w10: Raspberry.8 1680,3080 1755,3080 1780,3055 1780,2995 1835,2940 2000,2940 2040,2900 2040,2830 2070,2800 2375,2800 v1(2395,2820) ; v1(2395,2595) 2290,2490 2075,2490 2040,2455 2040,2380 P12.3 1910,2250 1910,2185 1935,2160 2055,2160 2075,2180 2205,2180 2235,2210 2235,2335 2250,2350 2525,2350 2585,2410 2634.06,2410 2637.68,2406.38 2697.36,2406.38 2707.64,2416.66 2707.64,2461 2730.26,2483.62 2762.26,2483.62 2786.38,2459.5 2786.38,2429 2810.38,2405 2952.14,2405 2962.14,2395 v1(2965,2395)
VBAT: 5.2 6.2 C1.1 P3.2 P4.2 R3.1 S1.2 S1.5 U1.1 U4.4 U5.4 U6.4 U8.4 | length 4320.5
  Top Layer w10: S1.2 S1.5 ; U1.1 U4.4@2294.21,2425 ; U4.4 U4.4@2294.21,2425 ; C1.1 2476.89,2205 U5.4 2265,2205 ; U8.4 2678.43,1985 2600,1985 ; 2904.51,1499.78 2835.51,1499.28 2814.89,1519.6 2814.53,1570.68 2769.64,1614.93 2734.13,1614.67 U6.4 2600,1748.43 2600,1985 ; 2904.51,1499.85 P4.2 ; P3.2 P4.2 ; 6.2@2990,1820 2990,1586.22 P4.2 ; 6.2 5.2 ; v1(3010,2185) 3024.86,2200.26 R3.1 ; 2265,2205 2245,2185 2245,2030 2290,1985 2600,1985 ; 2265,2205 2235,2235 2235,2390 2270,2425 U4.4@2294.21,2425
  Bottom Layer w10: S1.5 2157.76,1250 2950,1250 2965,1265 P3.2 ; 5.2 3090,2010 3109.14,2010 3115,2015.86 3115,2175 3105,2185 v1(3010,2185)
pads on no net: P6.1 P6.2 P6.3 P6.4 P6.5 Raspberry.11 Raspberry.12 Raspberry.19 Raspberry.21 Raspberry.22 Raspberry.23 Raspberry.27 Raspberry.28 Raspberry.29 Raspberry.35 Raspberry.38 Raspberry.40 RGB2.2 S1.0 S1.3 S1.4 U2.8 U2.9 U2.10 U2.11 U2.12 U2.13 U2.14

## Polygon pours and split planes (outlines as drawn)
GND on Bottom Layer "NONET_L-01_P-001" (solid, pour order 1): 1130,1001 3459,1001 ccw(c3415.63,1139.15) 3557,1107.82 3558.42,1141.42 3557,3079 3557,3097 ccw(c3406.69,3048.32) 3427,3205 1134.11,3200.99 ccw(c1126.5,3074.72) 1000,3074.72 1000,1134 ccw(c1130,1131.03)
GND on Top Layer "NONET_L-01_P-001" (solid, pour order 0): 999,3085 cw(c1152.46,3051.04) 1118.5,3204.5 3429,3205 cw(c3414.57,3061.57) 3558,3076 3560,1133 3554,1104 cw(c3420.25,1131.67) 3460,1001 3425,1001 1131,1000 1130,1001 cw(c1132,1134) 999,1136

## Silkscreen, mask and mechanical layers (free items; w line width, h text height)
Mechanical 1:
  circle w10: c1137.48,3069.05 r59.06
  circle w10: c3418.74,1134.65 r59.06
  circle w10: c1134.33,1134.65 r59.06
  lines w10: 999.65,1134 ccw(c1134.33,1134.65) 1136,999.97 ; 1000,3070 1000,1112 ; 1001.53,3070 cw(c1137.48,3069.05) 1136,3204.99 ; 1136,1000 3458.43,1000 ccw(c3418.74,1134.65) 3559.11,1135 ; 1136,3204.72 3421,3204.72 ; 3421,3204.58 cw(c3421.68,3067.26) 3559.01,3067.26 ; 3559.05,1135 3559.05,3067.26 ; 1000,1112 1000,1112

## Text inside footprints (layer, text, board x,y; h text height)
P2: Top Overlay "7" at 1850,2530 h40 r270; Top Overlay "2" at 1950,2990 h40 r270; Top Overlay "1" at 1850,2980 h40 r270; Top Overlay "8" at 1950,2530 h40 r270